# Altium PCB PCB3.PcbDoc (part 3 of 4)
Units mil, origin at the board's own origin, x right, y up, seen from the top; angles counter-clockwise.
Board outline 6377.95 x 6377.95 mil, 4 copper layers (Top Layer, GND Plane, Signal Layer 2, Bottom Layer), stack 63.902 mil thick; 583 components, 362 nets, 1734 pads, 554 vias.
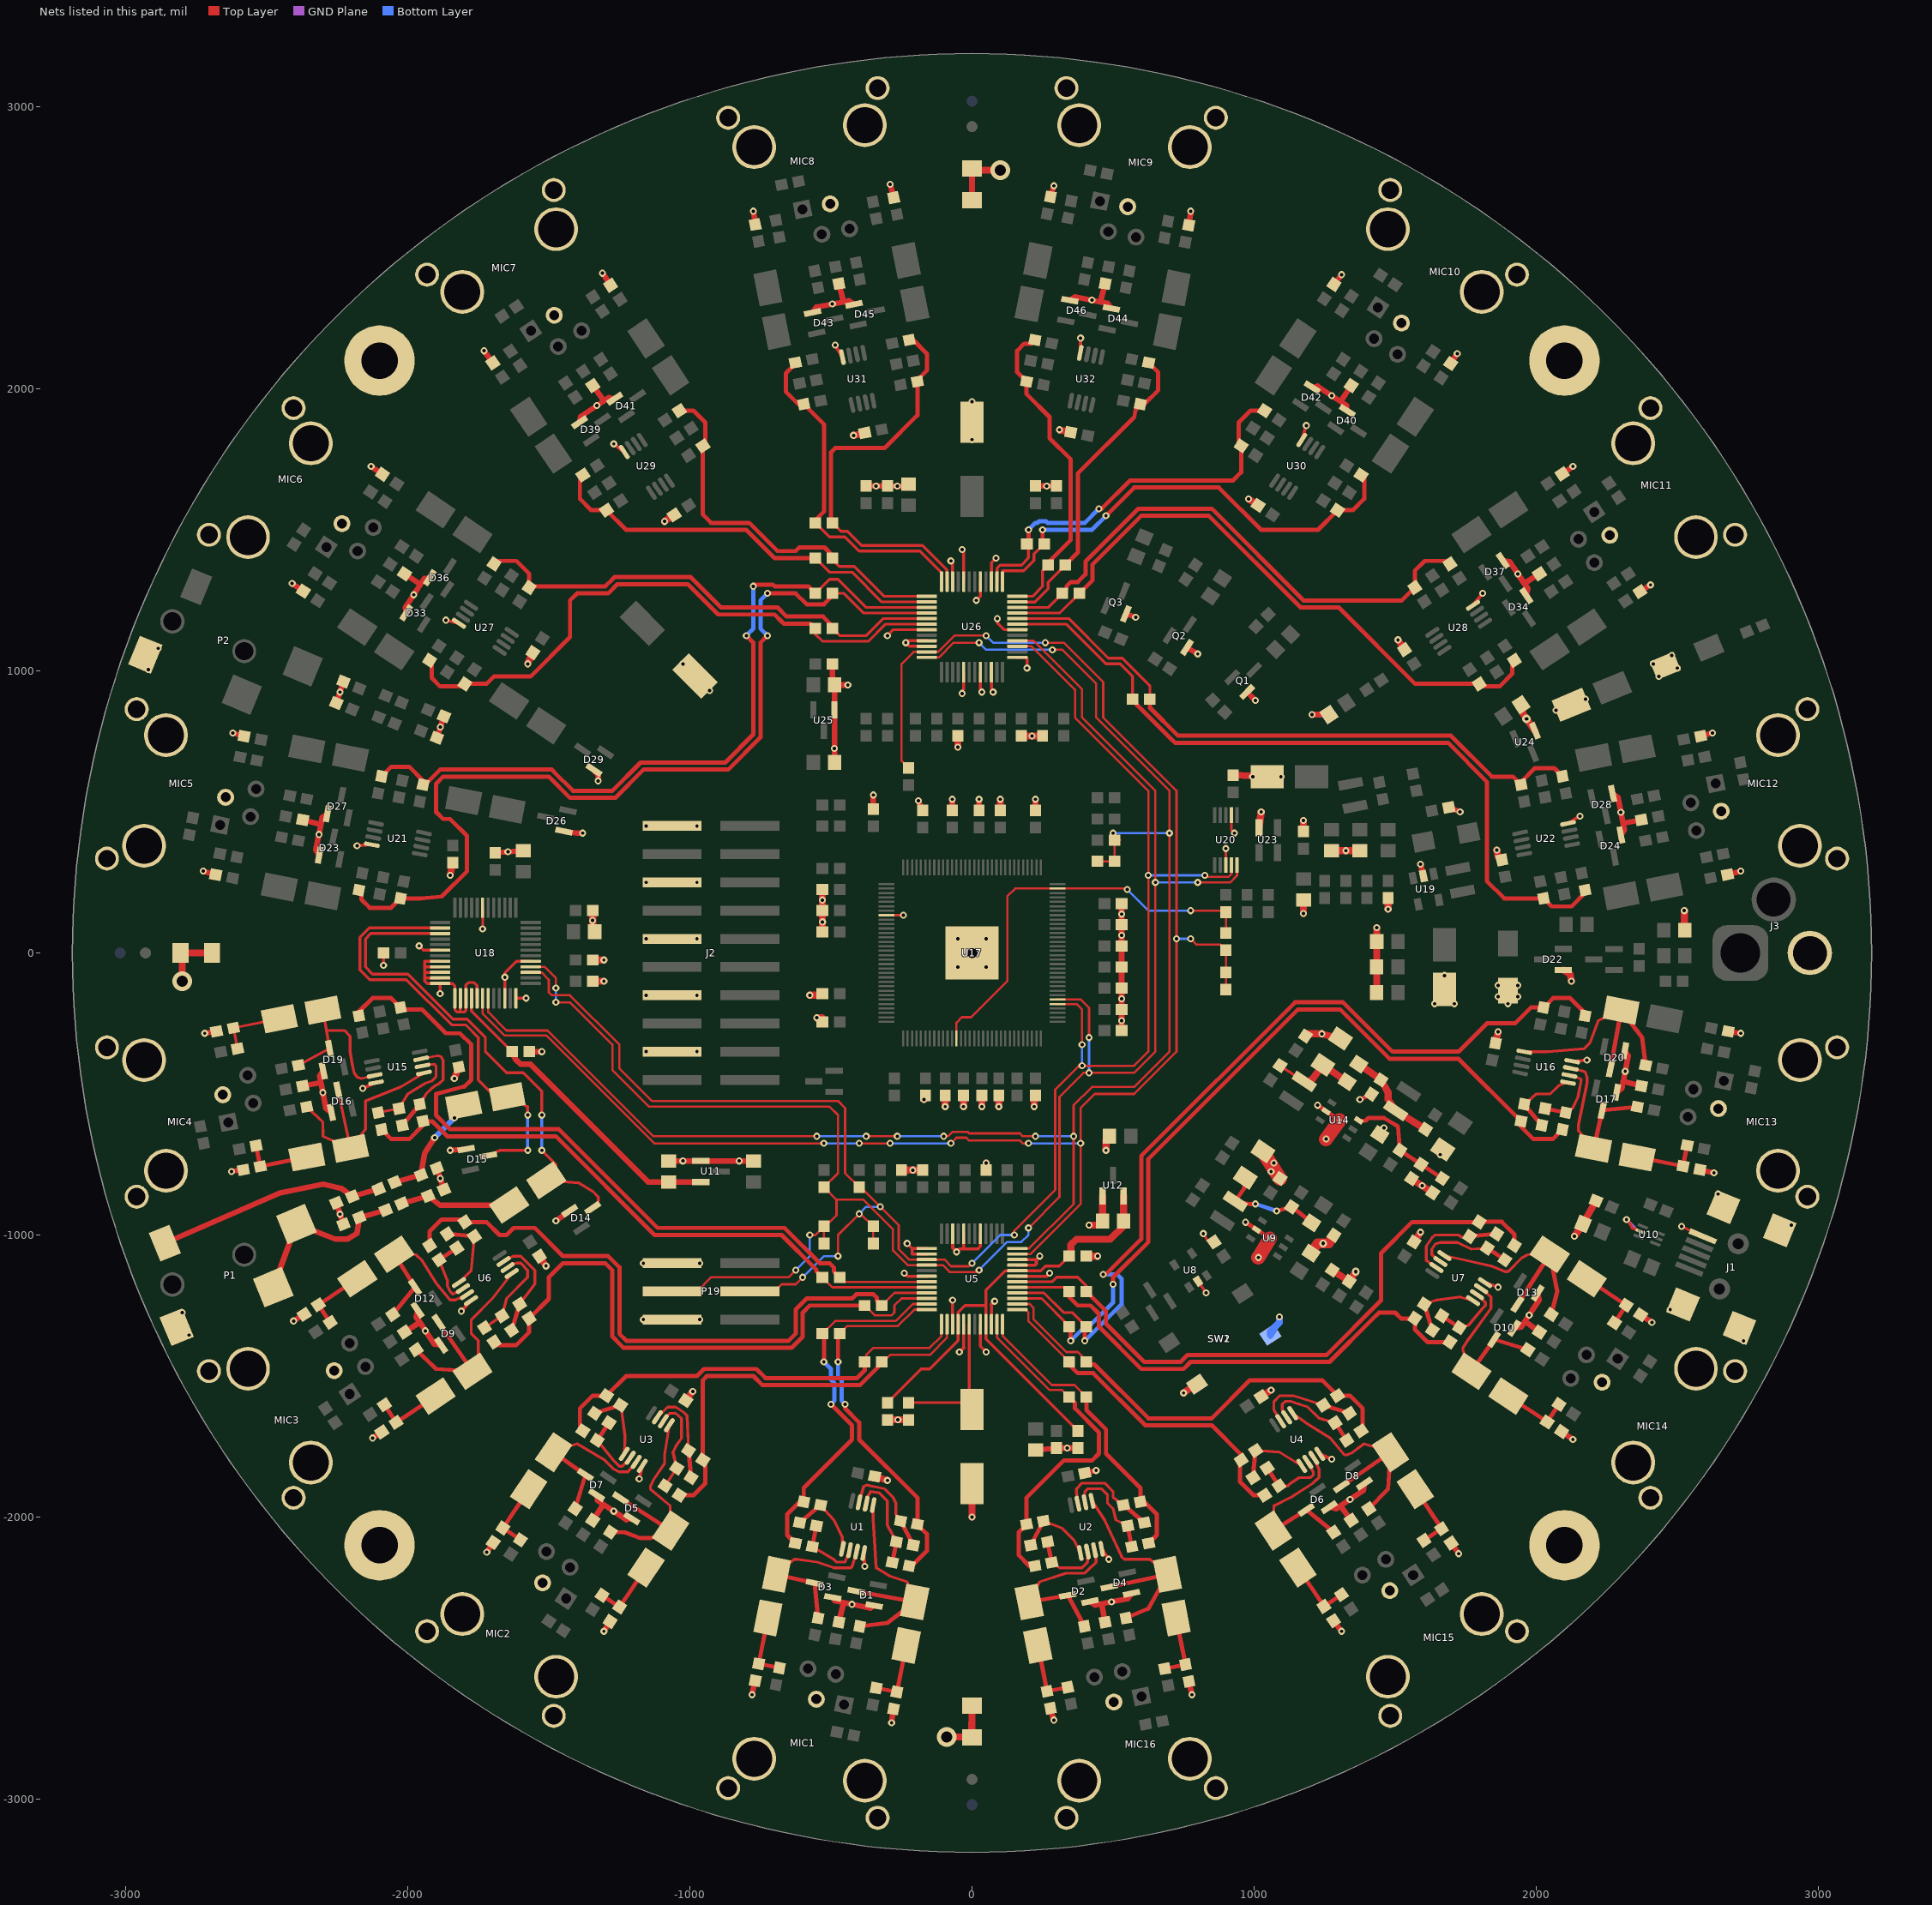
[diagram p5: the nets of this part, all layers, seen from the top]

## Via types
v1: diameter 25, hole 11.81, Top Layer to Bottom Layer, 543 vias
v2: diameter 28, hole 13, Top Layer to Bottom Layer, 5 vias
v3: diameter 70, hole 40, Top Layer to Bottom Layer, 3 vias
v4: diameter 30, hole 12.8, Top Layer to Bottom Layer, 2 vias
v5: diameter 47.24, hole 35.04, Top Layer to Bottom Layer, 1 vias

## Nets (pads, with @x,y where several pads share a name; then routed paths per layer and width w, separated by ;. In a path a pad name is that pad's centre, name@x,y a point inside that pad or via, vN(x,y) a via of type N, cw(c..) or ccw(c..) an arc to the next point about the centre after c; other vN are vias at no path point) (continued)
GND: C3.2 C4.2 C11.2 C12.2 C17.- C20.2 C21.2 C22.2 C23.2 C24.2 C28.2 C29.2 C31.2 C32.2 C36.2 C37.2 C47.2 C48.2 C49.2 C50.2 C53.2 C54.2 C56.2 C57.2 C58.2 C59.2 C60.2 C61.2 C62.2 C63.2 C64.2 C65.2 C68.2 C69.2 C70.2 C74.2 C75.2 C76.2 C77.2 C78.2 C79.2 C80.2 C81.2 C82.2 C83.2 C84.2 C85.2 C86.2 C90.2 C92.2 C93.2 C94.- C95.2 C96.2 C97.2 C98.2 C99.2 C100.2 C101.2 C102.2 C103.2 C104.2 C105.2 C106.2 C107.2 C110.2 C111.2 C112.2 C113.2 C118.2 C119.2 C120.2 C121.2 C122.2 C123.2 C124.2 C125.2 C127.2 C128.2 C129.2 C130.2 C131.2 C132.2 C133.2 C134.2 C137.- C138.2 C141.2 C143.2 C144.2 C145.2 C146.- C147.2 C148.2 C149.- C151.2 C152.2 C157.2 C158.2 C159.2 C165.2 C166.2 C173.2 C174.2 C175.- C176.2 C177.2 C178.2 C179.2 C180.2 C187.2 C188.2 C191.2 C192.2 C201.2 C202.2 C203.2 C300.2 C301.2 D1.1 D2.1 D3.1 D4.1 D5.1 D6.1 D7.1 D8.1 D9.1 D10.1 D12.1 D13.1 D14.1 D15.1 D16.1 D17.1 D19.1 D20.1 D21.A D22.1 D23.1 D24.1 D26.1 D27.1 D28.1 D29.1 D30.K D31.A D33.1 D34.1 D36.1 D37.1 D39.1 D40.1 D41.1 D42.1 D43.1 D44.1 D45.1 D46.1 D103.K J1.5 J1.MH1 J1.MH2 J1.MH3 J1.MH4 J2.4 J2.8 J2.12 J2.16 J2.20 J3.2 MIC1.3 MIC1.M MIC2.3 MIC2.M MIC3.3 MIC3.M MIC4.3 MIC4.M MIC5.3 MIC5.M MIC6.3 MIC6.M MIC7.3 MIC7.M MIC8.3 MIC8.M MIC9.3 MIC9.M MIC10.3 MIC10.M MIC11.3 MIC11.M MIC12.3 MIC12.M MIC13.3 MIC13.M MIC14.3 MIC14.M MIC15.3 MIC15.M MIC16.3 MIC16.M P1.1 P2.1 P19.2 P19.6 Q1.S Q2.S Q3.S R3.1 R4.1 R9.1 R10.1 R16.1 R17.1 R29.1 R30.1 R43.1 R44.1 R61.1 R62.1 R66.2 R73.1 R74.2 R75.2 R84.1 R85.1 R86.1 R104.2 R108.1 R109.1 R113.1 R123.2 R126.1 R127.1 R150.1 R151.1 R152.1 R159.1 R170.1 R173.1 R190.1 R191.1 R204.1 R205.1 R217.1 R218.1 R224.1 R225.1 R230.1 R231.1 R300.2 S1.1 S2.1 S3.1 S4.1 SW1.2 SW2.2 TP1.1 TP1.2 TP8.1 TP8.2 TP15.1 TP15.2 U1.4 U2.4 U3.4 U4.4 U5.3 U5.5 U5.8 U5.10 U5.19 U5.21 U5.22 U5.29 U5.32 U5.34 U5.37 U5.38 U5.42 U6.4 U7.4 U8.2 U9.2 U9.PAD U10.2 U11.1 U12.1 U14.2 U14.PAD U15.4 U16.4 U17.104 U17.129 U18.1 U18.2 U18.3 U18.5 U18.10 U18.12 U18.17 U18.31 U18.42 U18.44 U18.45 U18.46 U18.47 U18.48 U19.2 U20.2 U20.8 U21.4 U22.4 U23.2 U24.1 U25.1 U26.3 U26.5 U26.8 U26.10 U26.19 U26.21 U26.22 U26.29 U26.32 U26.34 U26.37 U26.42 U27.4 U28.4 U29.4 U30.4 U31.4 U32.4 | length 17352.9
  Top Layer w8: U17.104@-303.15,133.86 v1(-243,133.98)
  Top Layer w9: v1(-1735,85) -1734.84,85.16 U18.31@-1734.84,160.43
  Top Layer w10: v1(-2086.02,-43.98) C101.2@-2086.02,0 ; v1(-1960,25) -1944.84,9.84 U18.42@-1885.43,9.84 ; -1939.21,-49.21 U18.45@-1885.43,-49.21 ; -1938.9,-68.9 U18.46@-1885.43,-68.9 ; -1938.58,-88.58 U18.47@-1885.43,-88.58 ; v1(-1885.43,-144.57) U18.48@-1885.43,-108.27 ; U18.44@-1885.43,-29.53 -1939.53,-29.53 -1940,-30 -1940,-100 -1931.73,-108.27 U18.48@-1885.43,-108.27 ; -1813.58,-210 U18.2@-1813.58,-160.43 ; U18.5@-1754.53,-160.43 -1755,-160.91 -1755,-115 -1765,-105 -1785,-105 -1793.9,-113.9 U18.3@-1793.9,-160.43 -1793.9,-203.9 -1800,-210 -1825,-210 -1833.27,-201.73 U18.1@-1833.27,-160.43 -1833.27,-116.73 -1841.73,-108.27 U18.48@-1885.43,-108.27 ; U18.10@-1656.1,-160.43 v1(-1656.1,-86.1) -1656.1,-71.1 -1614.53,-29.53 U18.17@-1564.57,-29.53 ; U18.12@-1616.73,-160.43 v1(-1580.43,-160.43) ; v1(-300,1125) -278.74,1146.26 U26.19@-160.43,1146.26 ; v1(-230,-1030) -212.48,-1047.52 -212.48,-1067.52 U5.38@-160.43,-1067.52 ; -212.17,-1047.83 U5.37@-160.43,-1047.83 ; U26.22@-160.43,1087.2 -222.2,1087.2 v1(-235,1100) -228.11,1106.89 U26.21@-160.43,1106.89 ; v1(-35,920) -35,930 -29.53,935.47 U26.29@-29.53,995.67 ; v1(-35,1430) -29.53,1424.53 U26.8@-29.53,1316.54 ; v1(15,1250) 29.53,1264.53 U26.5@29.53,1316.54 ; U26.32@29.53,995.67 29.53,930.47 v1(35,925) ; U26.34@68.9,995.67 68.9,931.1 v1(75,925) ; U26.3@68.9,1316.54 68.9,1383.9 v1(85,1400) ; v1(90,1185) 90,1170 113.74,1146.26 U26.42@160.43,1146.26 ; U26.37@160.43,1047.83 192.17,1047.83 195,1045 v1(195,1010) ; U8.2@801.25,-1164.28 v1(830,-1205) ; v1(820,-995) 835,-1020 R66.2@858.05,-1024.63 ; U20.8@900,311.42 v1(900,370) ; U20.2@919.68,488.58 919.68,435.31 v1(930,425) ; v1(2320,-945) 2325,-950 2340,-975 U10.2@2370.72,-987.87 ; v1(2515,-970) J1.5@2590.6,-1004.88
  Top Layer w11: -228.74,-1146.26 U5.42@-160.43,-1146.26 ; U5.3@-68.9,-1316.54 v1(-68.9,-1231.1) ; U26.10@-68.9,1316.54 v1@-68.9,1383.9 ; v1(-55,-1060) -45,-1050 20,-1050 29.53,-1040.47 U5.29@29.53,-995.67 ; -29.53,-1399.53 U5.5@-29.53,-1316.54 ; -29.53,-1048.15 U5.32@-29.53,-995.67 ; 29.53,-1394.53 U5.8@29.53,-1316.54 ; U5.10@68.9,-1316.54 68.9,-1246.1 ; U5.19@160.43,-1146.26 263.74,-1146.26 ; U5.21@160.43,-1106.89 223.11,-1106.89 227.8,-1102.2 227.8,-1087.2 ; U5.22@160.43,-1087.2 227.8,-1087.2 ; v1(240,-1075) 227.8,-1087.2
  Top Layer w12: v1(-2180,380) U21.4@-2127.57,384.06 ; v1(-2160,-480) U15.4@-2112.59,-459.36 ; v1(-1865,1180) U27.4@-1818.64,1169.01 ; v1(-1810,-1270) U6.4@-1775.99,-1232.85 ; v1(-1270,1805) U29.4@-1232.85,1775.99 ; v1(-1180,-1865) U3.4@-1169.01,-1818.64 ; v1(-485,2155) U31.4@-459.36,2112.59 ; U1.4@-384.06,-2127.57 v1(-380,-2175) ; v1(-240,-1135) -228.74,-1146.26 ; v1(-75,1390) v1@-68.9,1383.9 ; U5.34@-68.9,-995.67 -68.9,-1046.1 v1(-55,-1060) ; v1(-45,-1415) -29.53,-1399.53 ; 29.53,-1394.53 v1(50,-1415) ; 68.9,-1246.1 v1(80,-1235) ; 263.74,-1146.26 v1(275,-1135) ; U32.4@384.06,2127.57 v1(385,2180) ; U2.4@459.36,-2112.59 v1(485,-2150) ; U30.4@1169.01,1818.64 v1(1185,1870) ; U4.4@1232.85,-1775.99 v1(1275,-1795) ; U28.4@1775.99,1232.85 v1(1810,1275) ; U7.4@1818.64,-1169.01 v1(1865,-1185) ; U22.4@2112.59,459.36 v1(2155,485) ; U16.4@2127.57,-384.06 v1(2180,-380)
  Top Layer w15: v1(970,-955) U9.2@1008.67,-980.48 U9.PAD@1056.14,-1012.19 ; v1@1225.58,-539.23 U14.2@1255.07,-561.57 U14.PAD@1302.53,-593.28 ; v1(1375,-520) C74.2@1416.1,-500.74 ; C68.2@1445.78,-643.9 v1(1460,-620)
  Top Layer w20: v1(-2725,290) R126.1@-2680.76,277.55 ; v1(-2720,-285) R108.1@-2677.78,-277.75 ; v1(-2625,-775) R85.1@-2582.94,-768.68 ; v1(-2620,780) R150.1@-2580.23,768.14 ; v1(-2410,1310) R170.1@-2369.95,1282.88 ; v1(-2405,-1305) R61.1@-2367.66,-1281.35 ; C81.2@-2373,-472.02 -2307.69,-460 ; C133.2@-2373,472.02 -2308.68,455 ; D23.1@-2314.23,346.73 -2326.55,365.17 -2308.68,455 ; D19.1@-2300.02,-418.16 -2312.34,-436.61 -2307.69,-460 ; D27.1@-2284.96,493.85 -2303.41,481.52 -2308.68,455 ; D16.1@-2270.75,-565.28 -2289.2,-552.96 -2307.69,-460 ; C58.2@-2253.19,-886.68 C56.2@-2228.19,-961.68 ; C148.2@-2253.19,886.68 C151.2@-2228.19,961.68 ; v1(-2130,1725) R190.1@-2089.87,1697.08 ; v1(-2125,-1720) R43.1@-2092.16,-1698.61 ; C36.2@-2011.73,-1344.2 -1957.54,-1310 ; C165.2@-2011.73,1344.2 -1955,1306.31 ; D33.1@-2005.38,1205.95 -2009.21,1225.19 -1955,1306.31 ; D12.1@-1964.91,-1266.51 -1969.89,-1291.52 -1957.54,-1310 ; D36.1@-1922.04,1330.67 -1941.28,1326.84 -1955,1306.31 ; R84.1@-1896.81,-763.32 R73.1@-1871.81,-838.32 ; R151.1@-1896.81,763.32 R159.1@-1871.81,838.32 ; D9.1@-1881.58,-1391.23 -1906.58,-1386.26 -1957.54,-1310 ; v1(-1850,-700) D15.1@-1793.01,-695.42 ; v1(-1730,2135) R204.1@-1698.61,2092.16 ; v1(-1720,-2125) R29.1@-1697.08,-2089.87 ; C121.2@-1690,355.51 C120.2@-1590,362.4 ; C86.2@-1569.49,-350 v1(-1525,-350) ; v1(-1475,-950) D14.1@-1426.06,-914.13 ; D26.1@-1446.58,431.21 -1400,425 v1(-1380,425) ; D39.1@-1391.23,1881.58 -1387.02,1902.73 -1305,1957.54 ; C11.2@-1344.2,-2011.73 -1306.31,-1955 ; C191.2@-1344.2,2011.73 -1305,1957.54 ; D29.1@-1340.5,648.67 -1325,630 v1(-1325,610) ; D7.1@-1330.67,-1922.04 -1326.84,-1941.28 -1306.31,-1955 ; v1(-1310,2410) R217.1@-1281.35,2367.66 ; v1(-1305,-2405) R16.1@-1282.88,-2369.95 ; D41.1@-1266.51,1964.91 -1287.66,1969.12 -1305,1957.54 ; D5.1@-1205.95,-2005.38 -1225.19,-2009.21 -1306.31,-1955 ; C59.2@-1075,-737.6 U11.1@-961.42,-737.6 C60.2@-775,-737.6 ; v1(-780,-2630) R9.1@-768.14,-2580.23 ; v1(-775,2630) R224.1@-768.68,2582.94 ; D43.1@-565.28,2270.75 -552.96,2289.2 v1(-495,2300.73) -455,2308.68 ; C158.2@-494.49,1025 -495,980 C152.2@-487.6,950 ; D3.1@-493.85,-2284.96 -485.37,-2297.64 -455,-2303.68 ; C141.2@-487.6,675 U25.1@-487.6,861.42 C152.2@-487.6,950 ; C3.2@-472.02,-2373 -455,-2303.68 ; C201.2@-472.02,2373 -455,2308.68 ; v1(-440,950) C152.2@-487.6,950 ; D45.1@-418.16,2300.02 -436.61,2312.34 -455,2308.68 ; C177.2@-375,1655.51 C178.2@-300,1655.51 -255,1655 C176.2@-225,1662.4 ; C127.2@-350,510.51 v1(-350,560) ; D1.1@-346.73,-2314.23 -359.41,-2322.7 v1(-425.29,-2309.59) -455,-2303.68 ; v1(-290,2725) R230.1@-277.75,2677.78 ; v1(-285,-2730) R3.1@-278.28,-2680.48 ; v1(-190,540) C128.2@-175,505.51 ; C129.2@-70,505.51 v1(-70,545) ; TP15.2@0,2668.9 TP15.1@0,2781.1 ; C130.2@25,505.51 v1(25,545) ; C22.2@225,-1762.4 C23.2@300,-1755.51 C24.2@375,-1755.51 ; C132.2@225,505.51 v1(225,545) ; C179.2@225,1655.51 C180.2@300,1655.51 ; R4.1@277.75,-2677.78 v1(290,-2720) ; R231.1@278.28,2680.48 v1(290,2720) ; D46.1@346.73,2314.23 365.17,2326.55 455,2308.68 ; C21.2@399.93,-1844.05 v1(440,-1835) ; D2.1@418.16,-2300.02 436.61,-2312.34 460,-2307.69 ; C4.2@472.02,-2373 460,-2307.69 ; C202.2@472.02,2373 455,2308.68 ; D44.1@493.85,2284.96 481.52,2303.41 455,2308.68 ; C90.2@530.51,-275 C93.2@530.51,-200 v1(530.51,-162.5) C97.2@530.51,-125 R113.1@530.51,-50 C102.2@530.51,25 v1(530.51,62.5) C107.2@530.51,100 v1(530.51,137.5) C112.2@530.51,175 ; Q3.S@545.62,1202.04 v1(580,1190) ; D4.1@565.28,-2270.75 552.96,-2289.2 v1(494.78,-2300.77) 460,-2307.69 ; Q2.S@762.2,1083.44 v1(800,1060) ; R225.1@768.14,2580.23 775,2620 v1(775,2630) ; R10.1@768.68,-2582.94 v1(780,-2630) ; Q1.S@975,925 v1(1005,895) ; v1(1205,845) 1225,845 D30.K@1265.14,845.34 ; D42.1@1205.95,2005.38 1225.19,2009.21 1306.31,1955 ; D6.1@1266.51,-1964.91 1291.52,-1969.89 1306.31,-1960 ; R17.1@1281.35,-2367.66 v1(1310,-2405) ; R218.1@1282.88,2369.95 v1(1310,2405) ; D40.1@1330.67,1922.04 1326.84,1941.28 1306.31,1955 ; C12.2@1344.2,-2011.73 1306.31,-1960 ; C192.2@1344.2,2011.73 1306.31,1955 ; D8.1@1391.23,-1881.58 1386.26,-1906.58 v1(1340,-1937.49) 1306.31,-1960 ; v1(1590,315) U19.2@1599.93,272.78 ; C203.2@1689.93,515.95 v1(1730,500) ; R205.1@1697.08,2089.87 v1(1720,2125) ; R30.1@1698.61,-2092.16 v1(1725,-2130) ; D37.1@1881.58,1391.23 1906.58,1386.26 1957.54,1310 ; D10.1@1922.04,-1330.67 1947.05,-1325.7 1960,-1306.31 ; D34.1@1964.91,1266.51 1969.89,1291.52 1957.54,1310 ; D13.1@2005.38,-1205.95 2010.35,-1230.96 1960,-1306.31 ; C37.2@2011.73,-1344.2 1960,-1306.31 ; C166.2@2011.73,1344.2 1957.54,1310 ; R44.1@2089.87,-1697.08 v1(2130,-1725) ; R191.1@2092.16,1698.61 v1(2130,1725) ; D28.1@2270.75,565.28 2289.2,552.96 2307.69,460 ; D17.1@2284.96,-493.85 2303.41,-481.52 2308.68,-455 ; D24.1@2300.02,418.16 2312.34,436.61 2307.69,460 ; D20.1@2314.23,-346.73 2326.55,-365.17 v1(2315.65,-420) 2308.68,-455 ; R173.1@2367.66,1281.35 v1(2405,1305) ; R62.1@2369.95,-1282.88 v1(2410,-1310) ; C82.2@2373,-472.02 2308.68,-455 ; C134.2@2373,472.02 2307.69,460 ; R86.1@2580.23,-768.14 v1(2630,-780) ; R152.1@2582.94,768.68 v1(2625,780) ; R127.1@2677.78,277.75 v1(2725,290) ; R109.1@2680.48,-278.28 v1(2725,-285)
  Top Layer w25: TP8.1@-2806.1,0 TP8.2@-2693.9,0 ; v3(-2800,-100) TP8.1@-2800,-6.1 ; v1(-1850,275) C122.2@-1840,319.49 ; v1(-1835,-445) C84.2@-1819.05,-404.93 ; v1(-1575,1025) C159.2@-1556.95,1064.63 ; C48.2@-1533.05,-1075.37 v1(-1510,-1110) ; C98.2@-1344.49,-100 v1(-1305,-100) ; C100.2@-1344.49,-25 v1(-1305,-25) ; C110.2@-1344.49,150 -1344.49,81.89 C104.2@-1337.6,75 ; v1(-1090,1530) C173.2@-1055.37,1553.05 ; C32.2@-1014.63,-1586.95 v1(-990,-1555) ; v1(-575,-150) C95.2@-530.51,-150 ; v1(-550,-230) C92.2@-530.51,-230 ; C105.2@-530.51,75 C111.2@-530.51,150 C118.2@-530.51,225 ; v1(-420,1835) C188.2@-379.93,1844.05 ; C20.2@-345.07,-1855.95 v1(-300,-1870) ; C28.2@-300,-1655.51 C29.2@-225,-1655.51 ; C61.2@-250,-769.49 C62.2@-175,-769.49 ; v1(-170,-520) C75.2@-159.84,-512.64 ; v1(-95,-545) C76.2@-95,-505.51 ; v3(-90,-2780) -1.1,-2780 TP1.2@0,-2668.9 ; v1(-50,730) C143.2@-50,769.49 ; v1(-30,-545) C77.2@-30,-505.51 ; v1(0,-2000) C17.-@0,-1881.89 ; TP15.1@0,2781.1 6.1,2775 v3(100,2775) ; v1(35,-545) C78.2@35,-505.51 ; C63.2@50,-769.49 v1(50,-745) ; v1(95,-545) C79.2@95,-505.51 ; C131.2@100,505.51 v1(100,545) ; C144.2@175,769.49 C145.2@250,769.49 ; v1(220,-545) 220,-510.51 C80.2@225,-505.51 ; v1(310,1855) C187.2@350.07,1845.95 ; C50.2@405.51,-1075 v1(445,-1075) ; v1(415,-965) 447.6,-965 C57.2@462.6,-950 U12.1@462.6,-861.42 ; v1(475,-700) 475,-662.6 C70.2@487.6,-650 ; v1(750,-1560) SW1.2@797.45,-1528.67 ; C138.2@925,630.51 995.11,627.33 C137.-@1046.26,625 ; v1(980,1610) C174.2@1014.63,1586.95 ; U23.2@1017.52,444.29 v1(1025,500) ; C31.2@1025.37,-1573.05 v1(1060,-1550) ; v1(1175,140) C113.2@1175,187.6 ; C125.2@1175,430.51 v1(1175,470) ; R104.2@1189.87,-286.71 v1(1240,-286.71) C83.2@1306.17,-303.35 ; C123.2@1275,362.6 C124.2@1375,362.6 ; R300.2@1276.95,-1124.63 C300.2@1336.95,-1164.63 v2(1360,-1130) ; C96.2@1434.56,-139.93 C99.2@1434.65,-49.79 C103.2@1434.75,40.35 v1(1435,90) ; v1(1475,155) R123.2@1475,194.49 ; v1(1510,1110) C157.2@1533.05,1075.37 ; C65.2@1558.05,-800.37 R75.2@1633.05,-850.37 ; C49.2@1566.95,-1024.63 v1(1590,-990) ; C85.2@1855.95,-320.07 v1(1865,-280) ; v1(1860,365) 1865,340 C119.2@1878.09,329.85 ; C147.2@1946.1,880.78 1955,845 U24.1@1995.62,787.96 ; D22.1@2095.72,-60.36 2120,-75 v1(2125,-100) ; v1(2135,-1005) C54.2@2165.45,-960.69 C301.2@2211.81,-878.32 ; v1(2525,150) 2525,125 C106.2@2526.7,80.6
  Top Layer w35: C47.2@1201.64,-1064.43 1225,-1030 1265,-1030 C53.2@1283.05,-1000.37
  Top Layer w50: v1(1015,-1080) U9.PAD@1056.14,-1012.19 ; C64.2@1031.17,-703.35 R74.2@1091.95,-799.63 ; v1(1255,-660) U14.PAD@1302.53,-593.28
  GND Plane w10: v1(2320,-945) 2350,-975
  Bottom Layer w20: v1(1205,845) D103.K@1265.14,845.34
  Bottom Layer w25: SW2.2@1072.21,-1330 SW2.2@1057.7,-1354.78 1057.7,-1342.3 1090,-1310 v1(1090,-1290)
  other v1: -1270,-1979.26 337.5,-1755.51 -262.5,-1655.51 2735,-1375 -2775,-1355 -1937.49,-1340 -1165,-1300 -965,-1300 1975,-1283.86 -2800,-1275 2475,-1265 -1165,-1100 -965,-1100 2905,-965 -2240,-926.24 2645,-855 1595.55,-825.37 -1885,-800 1060,-775 -210,-770 1070,-745 -1025,-737.6 -825,-737.6 1660,-715 1225,-540 -2300.73,-495 -1155,-350 -975,-350 530,-240 1640,-180 1710,-180 1900,-180 1865,-155 1935,-155 -1155,-150 -975,-150 1865,-115 1935,-115 1675,-80 -50,-50 50,-50 -1155,50 -975,50 -50,50 50,50 -530,110 -1345,115 -530.51,187.5 -1155,250 -975,250 -1645,358.61 1325,362.6 -2315,420 -1155,450 -975,450 2300,498.65 995,625 1095,625 -487.6,725 212.5,769.49 -1884.31,800.82 2070,860 2175,900 -2240,925 -930,930 2435,980 -2920,1005 2500,1010 -1025,1025 2415,1025 2480,1055 -2885,1080 -1979.26,1270 1935,1343.73 -340,1655 -265,1655 265,1655 0,1820 -1330,1940.83 0,1955 1275,1975.92 425,2314.65
  other v2: 1245,-1030
  other v4: 1965.68,830
  other v5: 0,0
I2C_SCL: P19.3 R78.2 TP4.1 TP4.2 U5.39 U17.37 U18.15 U20.9 U26.39 | length 6460.4
  Top Layer w8: U18.15@-1564.57,-68.9 -1526.1,-68.9 -1500,-95 -1500,-140 -1490,-150 -1425,-150 -1250,-325 -1250,-410 -1135,-525 -475,-525 -450,-550 -450,-780.51 R78.2@-400,-830.51 -394.49,-830.51 v1(-325,-900) -260,-965 -260,-1050 -222.8,-1087.2 U5.39@-160.43,-1087.2 -97.8,-1087.2 -74,-1111 -11,-1111 v1(0,-1100) ; P19.3@-787.05,-1200 -700,-1200 -675,-1175 -625,-1175 v1(-600,-1150) ; v1(-475,-1075) -475,-1000 v1(-400,-925) -394.49,-925 TP4.1@-350,-969.49 TP4.2@-350,-1030.51 ; v1(150,-1000) 150,-985 295,-840 295,-485 380,-400 575,-400 625,-350 625,575 365,835 365,933.38 211.18,1087.2 U26.39@160.43,1087.2 ; U17.37@303.15,-181.1 371.1,-181.1 390,-200 v1(390,-325) ; v1(825,275) 830,270 910,270 919.68,279.69 U20.9@919.68,311.42
  Bottom Layer w8: v1(-600,-1150) -525,-1075 v1(-475,-1075) ; v1(-400,-925) -375,-900 v1(-325,-900) ; v1(0,-1100) 100,-1000 v1(150,-1000) ; v1(390,-400) v1(390,-325) ; v1(625,275) v1(825,275)
I2C_SDA: P19.4 R77.2 TP3.1 TP3.2 U5.40 U17.38 U18.16 U20.10 U26.40 | length 6820.1
  Top Layer w8: U18.16@-1564.57,-49.21 -1515.79,-49.21 -1475,-90 v1(-1475,-125) ; v1(-1475,-175) -1425,-175 -1275,-325 -1275,-415 -1145,-545 -505,-545 -475,-575 -475,-780.51 R77.2@-525,-830.51 -480.51,-875 ; P19.4@-1062.95,-1200 -975,-1200 -925,-1150 -650,-1150 v1(-625,-1125) ; v1(-575,-1000) -555.51,-1000 TP3.1@-525,-969.49 TP3.2@-525,-1030.51 ; TP3.1@-535,-959.49 -509.49,-959.49 -480.51,-930.51 -480.51,-875 ; v1(25,-1125) 19,-1131 -79,-1131 -103.11,-1106.89 U5.40@-160.43,-1106.89 -228.11,-1106.89 -280,-1055 -280,-980 -385,-875 -480.51,-875 ; U26.40@160.43,1106.89 218.11,1106.89 390,935 390,835 650,575 650,-350 575,-425 395,-425 310,-510 310,-865 v1(200,-975) ; U17.38@303.15,-165.35 385.35,-165.35 415,-195 v1(415,-300) ; v1(800,250) 915,250 939.37,274.37 U20.10@939.37,311.42
  Bottom Layer w8: v1(-1475,-175) v1(-1475,-125) ; v1(-625,-1125) -575,-1075 v1(-575,-1000) ; v1(25,-1125) 125,-1025 175,-1025 200,-1000 v1(200,-975) ; v1(415,-425) v1(415,-300) ; v1(650,250) v1(800,250)
IN1_N: C162.2 R120.2 R124.2 U26.16 | length 3297.5
  Top Layer w10: C162.2@-494.49,1275 -453.28,1275 -383.28,1205 U26.16@-160.75,1205
  Top Layer w15: R124.2@-2173.3,222.76 -2165,214.46 -2165,190 -2135,160 -2059.68,160 R120.2@-2026.18,193.49 -1956.5,193.5 -1880,200 -1790,290 -1790,415 -1850,475 -1875,475 -1900,500 -1900,600 -1875,625 -1500,625 -1425,550 -1264.64,550 -1164.64,650 -864.64,650 -750,764.64 -750,1100 v1(-725,1125) ; v1(-725,1275) -625,1275 -586,1236 -525,1236 -494.49,1266.51 C162.2@-494.49,1275
  Bottom Layer w15: v1(-725,1125) -750,1150 -750,1250 v1(-725,1275)
IN1_P: C162.1 R138.2 R143.2 U26.15 | length 2739.8
  Top Layer w10: C162.1@-555.51,1275 -505.51,1325 -475,1325 -375,1225 U26.15@-160.43,1225
  Top Layer w15: R143.2@-2093.11,625.88 -2059,660 -1995,660 -1946,611 R138.2@-1946,596.62 -1938.73,596.62 -1885.36,650 -1489.64,650 -1482.32,642.68 -1414.64,575 -1275,575 -1175,675 -875,675 -775,775 -775,1100 v1(-800,1125) ; v1(-775,1300) -770,1305 -705,1305 -700,1300 -580.51,1300 C162.1@-555.51,1275
  Bottom Layer w15: v1(-800,1125) -775,1150 v1(-775,1300)
IN2_N: C160.2 R163.2 R166.2 U26.18 | length 2179.3
  Top Layer w10: C160.2@-555.51,1150 -555.51,1130.51 -530,1105 -366.72,1105 -305.77,1165.94 U26.18@-160.43,1165.94
  Top Layer w15: R166.2@-1922.62,1037.49 -1915,1029.87 -1915,975 -1885,945 -1807.06,945 R163.2@-1797.9,954.15 -1720.85,954.15 -1695,980 -1565,980 -1425,1120 -1425,1250 -1400,1275 -1289.64,1275 -1257.32,1307.32 -1007.32,1307.32 -900,1200 -700,1200 -675,1175 -667.68,1167.68 -573.19,1167.68 C160.2@-555.51,1150
IN2_P: C160.1 R171.2 R178.2 U26.17 | length 1737.4
  Top Layer w10: C160.1@-494.49,1150 -469.49,1125 -375,1125 -314.37,1185.63 U26.17@-160.43,1185.63
  Top Layer w15: R178.2@-1694.27,1379.24 -1683.51,1390 -1615,1390 -1569.55,1344.55 R171.2@-1569.55,1295.91 -1554.09,1295.91 -1550,1300 -1300,1300 -1275,1325 -1267.68,1332.32 -996.97,1332.32 -989.64,1325 -889.64,1225 -689.64,1225 -657.32,1192.68 -527.68,1192.68 -494.49,1159.49 C160.1@-494.49,1150
IN3_N: C169.2 R185.2 R192.2 U26.14 | length 1469.6
  Top Layer w10: C169.2@-555.51,1400 -505.51,1350 -425,1350 -319.69,1244.69 U26.14@-160.43,1244.69
  Top Layer w15: R192.2@-1379.24,1694.27 -1390,1683.51 -1390,1610 -1349.55,1569.55 R185.2@-1295.91,1569.55 -1226.36,1500 -800,1500 -700,1400 C169.2@-555.51,1400
IN3_P: C169.1 R194.2 R196.2 U26.13 | length 1373.1
  Top Layer w10: C169.1@-494.49,1400 -494.49,1394.49 -470,1370 -416.72,1370 -311.09,1264.37 U26.13@-160.43,1264.37
  Top Layer w15: R196.2@-1037.49,1922.62 -987.62,1922.62 -945,1880 -945,1807.06 R194.2@-954.15,1797.9 -954.15,1554.15 -925,1525 -789.64,1525 -689.64,1425 -625,1425 -612,1438 -523,1438 -494.49,1409.49 C169.1@-494.49,1400